# Altium PCB Pleiades_PP.PcbDoc (part 10 of 15) (continued)
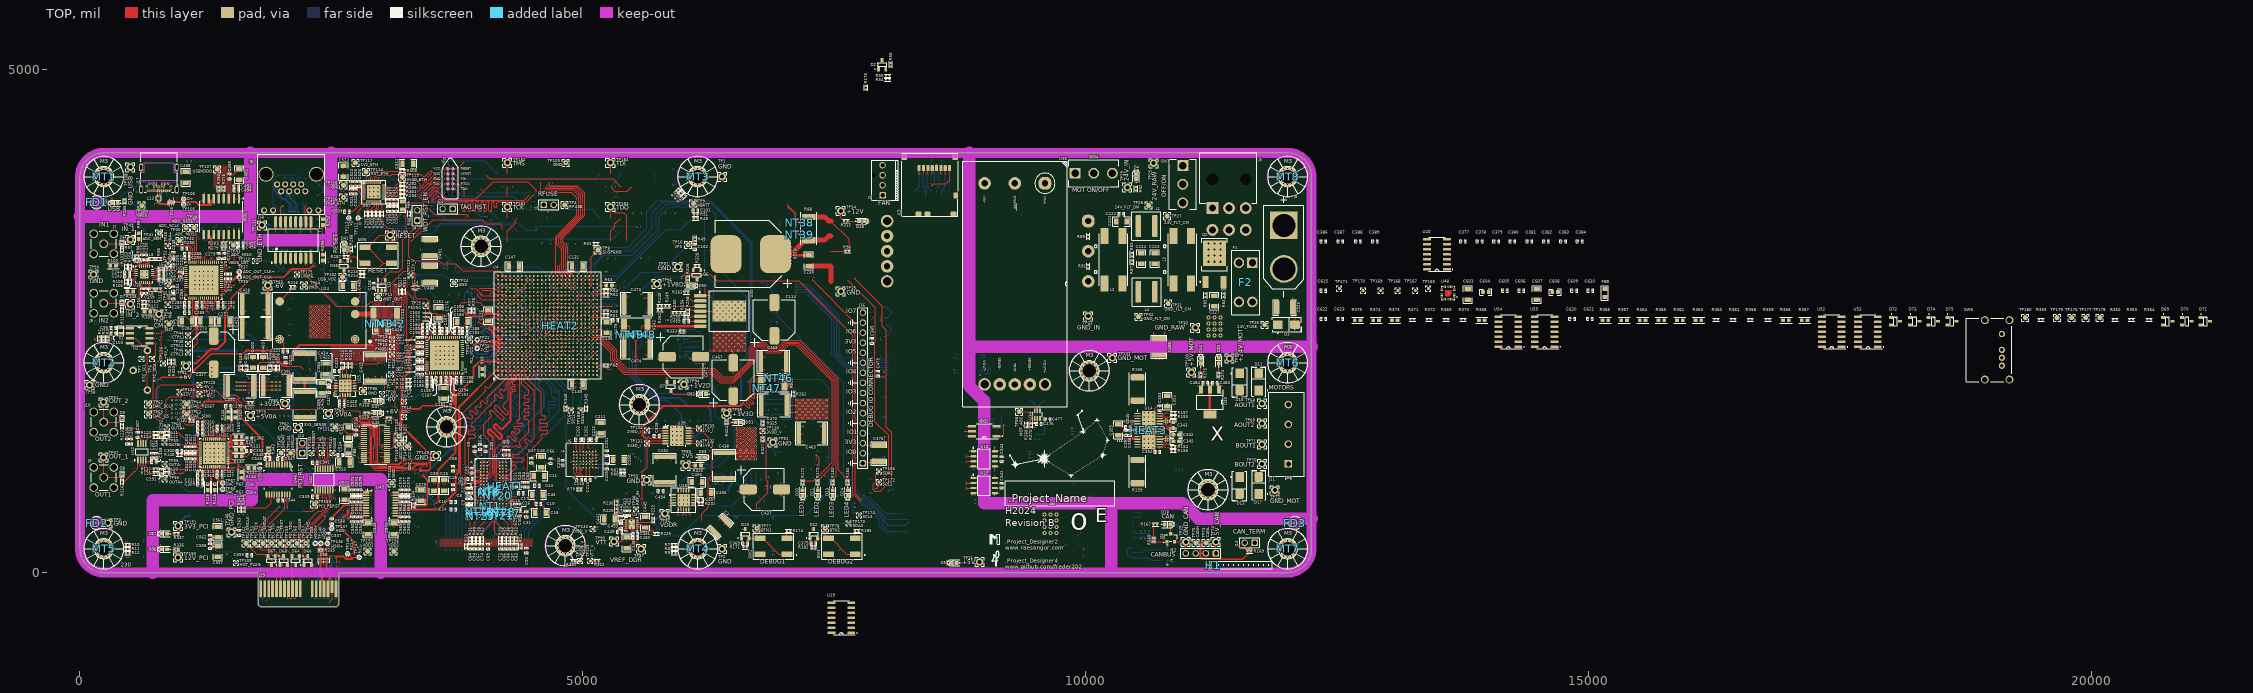
[diagram p0: TOP view]
## Nets (pads, with @x,y where several pads share a name; then routed paths per layer and width w, separated by ;. In a path a pad name is that pad's centre, name@x,y a point inside that pad or via, vN(x,y) a via of type N, cw(c..) or ccw(c..) an arc to the next point about the centre after c; other vN are vias at no path point) (continued)
  TOP w10: R1.2@194.88,2342.5 v1(194.88,2365) ; R2.2@235,2342.5 v1(235,2365) ; R3.2@274.88,2342.5 v1(274.88,2365) ; v1(292.5,2380) C103.2@315,2380 C99.2@315,2435 v1(292.5,2435) ; v1(300,3012.5) R100.1@300,3035 ; v1(397.5,2698.78) D7.2@420,2698.78 ; v1(397.5,3187.5) R101.2@420,3187.5 ; v1(397.5,3293.78) D6.2@420,3293.78 ; v1(420,2570) R110.2@420,2592.5 ; D8.2@425,995 v1(447.5,995) ; D9.2@425,1550 v1(447.5,1550) ; v1(430,2945) C243.2@452.5,2945 ; v1(430,2985) C244.2@452.5,2985 ; v1(445,2280) U2.4@500.69,2280 ; C306.2@470,1317.5 C306.2@470,1322.5 v1(470,1340) ; R12.2@492.5,195 v1(515,195) ; R11.2@492.5,235 v1(515,235) ; R10.2@492.5,275 v1(515,275) ; C305.2@510,1317.5 C305.2@510,1322.5 v1(510,1340) ; C307.2@575,1386.99 v1(575,1409.49) ; v1(620,2760) C260.2@620,2782.5 ; C251.2@620,3152.5 v1(620,3175) ; v1(660,2760) C259.2@660,2782.5 ; C250.2@660,3152.5 v1(660,3175) ; v1(697.5,1182.5) C337.2@720,1182.5 C336.2@760,1182.5 v1(782.5,1182.5) ; v1(700,2552.5) R109.1@700,2594 ; v1(752.5,1082.5) C338.2@752.5,1105 ; C266.2@827.5,2945 v1(850,2945) ; C267.2@827.5,2985 v1(850,2985) ; R323.2@890,2112.5 v1(890,2135) ; v1(950,1170) R145.2@972.5,1170 ; v1(950,1210) C300.2@972.5,1210 ; v1(977.5,2500) C283.2@1012,2500 ; C237.2@1000,2982.5 1008.6,2973.9 U9.21@1053.82,2973.9 1125.67,2973.9 v3(1143.39,2991.61) ; v1(1022.5,3202.5) C286.2@1022.5,3225 ; v1(1025,2585) C285.2@1047.5,2585 C287.2@1047.5,2640 ; v1(1025,2640) C287.2@1047.5,2640 ; v1(1025,2680) C289.2@1047.5,2680 ; v1(1025,2920) 1025.54,2920 1030.23,2915.31 1053.35,2915.31 U9.24@1053.82,2914.84 1133.54,2914.84 v3(1143.39,2905) ; v1(1025,3130) C290.2@1047.5,3130 ; v1(1025,3170) C288.2@1047.5,3170 ; v1(1030,2845) 1030.38,2844.62 1035.03,2844.62 1043.54,2836.1 U9.28@1053.82,2836.1 1125.67,2836.1 v3(1143.39,2818.39) ; v1@1033.14,2845.38 1043.54,2855.79 U9.27@1053.82,2855.79 1137.48,2855.79 v3(1143.39,2861.69) ; v1(1037.5,1172.5) C312.2@1060,1172.5 C316.2@1100,1172.5 C320.2@1140,1172.5 1152.03,1160.47 v1(1175.69,1160.47) U11.44@1198.19,1160.47 ; v1(1037.5,1212.5) C313.2@1060,1212.5 C317.2@1100,1212.5 C321.2@1140,1212.5 1164.31,1212.5 1170.95,1219.15 1175.31,1219.15 v1(1175.69,1219.53) U11.41@1198.19,1219.53 ; v1(1043.98,2714.19) 1043.98,2736.69 ; U9.31@1053.82,2777.05 1047.97,2777.05 1047.5,2776.57 C289.2@1047.5,2680 ; U9.39@1200.47,2728.82 v1(1200.47,2707.92) 1200.47,2687.03 C281.2@1207.5,2680 ; C311.2@1212.5,920 C311.2@1215,920 ; v1(1212.5,1352.5) C322.2@1212.5,1375 C318.2@1212.5,1415 C314.2@1212.5,1455 C310.2@1212.5,1495 v1(1235,1495) ; v1(1215,842.5) C311.2@1215,920 ; C319.2@1215,1000 C311.2@1215,920 ; v1(1230,2640) C277.2@1207.5,2640 C281.2@1207.5,2680 ; v1(1230,2680) C281.2@1207.5,2680 ; v1(1230,3300) ISO2.9@1230,3360 ; v1(1235,920) C311.2@1215,920 ; v1(1263.29,2077.5) C417.2@1285.79,2077.5 ; v1(1266.51,1968.32) C417.2@1289,1968.32 ; v1(1270,792.5) R129.2@1270,815 ; C273.2@1303,2500 1303,2496.96 1319.96,2480 v1(1345.5,2480) C272.2@1380,2480 ; C273.2@1305,2520 v1(1339.5,2520) 1365.04,2520 1382,2503.04 C272.2@1382,2500 ; v1(1305.47,1030.69) U11.5@1305.47,1053.19 ; v1(1340,792.5) R128.2@1340,815 ; R128.2@1340,821.46 1349.75,831.21 1378.71,831.21 v1(1379.09,831.59) ; C279.2@1380,3167.5 v1(1402.5,3167.5) C275.2@1440,3167.5 v1(1440,3190) ; U9.49@1406.18,2757.36 1409.15,2757.36 1409.62,2756.89 1409.62,2732.88 v1(1410,2732.5) 1417.5,2725 C280.2@1417.5,2680 ; U9.59@1406.18,2954.21 v1(1428.68,2954.21) ; C327.2@1407.5,960 1395.38,972.12 1395.38,979.62 v1(1395,980) 1395.38,980.38 1395.38,987.88 C332.2@1407.5,1000 ; C330.2@1407.5,1415 C325.2@1407.5,1455 v1(1407.5,1477.5) ; v1@1429.22,2954.21 1446.71,2954.21 C278.2@1455,2962.5 C274.2@1495,2962.5 v1(1517.5,2962.5) ; v1(1440,2640) C276.2@1417.5,2640 C280.2@1417.5,2680 ; v1(1440,2680) C280.2@1417.5,2680 ; C299.2@1457.5,1655 v1(1457.5,1677.5) ; ISO2.15@1530,3360 v1(1530,3419) ; v6(1555.63,1815.63) v6(1595,1815.63) v6(1634.37,1815.63) 1803.95,1815.63 C391.2@1821.59,1833.27 ; v6(1555.63,1855) v6(1595,1855) v6(1634.37,1855) C390.2@1722,1855 C391.2@1820.98,1855 ; v6(1555.63,1894.37) v6(1595,1894.37) v6(1634.37,1894.37) 1803.95,1894.37 C391.2@1820.98,1877.35 ; C496.2@1617.5,3235 C497.2@1617.5,3275 v1(1617.5,3305) ; C419.2@1624.44,2480 v1(1646.94,2480) ; C418.2@1624.44,2745 v1(1646.94,2745) ; C419.2@1624.5,2347.41 v1(1647,2347.41) ; C418.2@1624.5,2587.41 v1(1647,2587.41) ; C401.2@1650,2052.5 v1(1650,2075) ; v1(1655,1684.96) R207.2@1677.5,1684.96 ; C293.2@1697.5,1210 1720,1210 v1(1740,1230) ; C302.2@1702.5,1335 v1(1725,1335) ; v1(1720,2110) C400.2@1720,2132.5 ; C295.2@1790,1077.5 v1(1812.5,1077.5) ; v1(1820.98,2110) C403.2@1820.98,2132.5 ; v1(1825,1130) C546.2@1847.5,1130 1854.84,1122.66 U46.10@1854.84,1072.64 v1(1832.34,1072.64) ; v1(1857.5,1242.5) R343.2@1880,1242.5 ; C404.2@1890,2052.5 v1(1890,2075) ; U46.7@1931.61,1095 v1(1931.61,1117.5) ; v1(1956.59,1145.91) C547.2@1972.5,1130 1982.8,1119.7 U46.5@1982.8,1072.64 ; R208.2@1970,2052.5 v1(1970,2075) ; v6(1987.35,1816.86) v6(1947.98,1816.86) v6(1908.61,1816.86) 1838,1816.86 C391.2@1821.59,1833.27 ; v6(1987.35,1856.23) v6(1947.98,1856.23) v6(1908.61,1856.23) C391.2@1820.98,1856.23 ; v6(1987.35,1895.6) v6(1947.98,1895.6) v6(1908.61,1895.6) 1838,1895.6 1820.98,1878.58 C391.2@1820.98,1877.35 ; v1(2022.5,2097.5) C420.2@2045,2097.5 ; v1(2044.09,2215.91) C421.2@2060,2200 ; U46.1@2085.16,1096.82 v1(2085.16,1119.32) ; R216.2@2132.5,2840 v1(2155,2840) ; C395.2@2170,1560 v1(2170,1582.5) ; v1(2183.49,2137.5) C394.2@2183.49,2160 ; C395.2@2233.49,1560 v1(2233.49,1582.5) ; v1(2255,2137.5) C394.2@2255,2160 ; v1(2283.49,2007.41) 2283.49,2029.91 ; C395.2@2293.49,1560 v1(2293.49,1582.5) ; v1(2352.5,1117.5) C541.2@2352.5,1095 2357.5,1090 2357.5,1077 2362.5,1072 U42.15@2362.5,1048.96 ; C426.2@2405,1888 2420.12,1872.88 2452.12,1872.88 v1(2452.5,1872.5) C424.2@2475,1872.5 2490.08,1857.42 U25.18@2542.02,1857.42 ; R296.2@2425,3100 v1(2447.5,3100) ; C422.2@2443.49,2091.41 v1(2443.49,2113.91) ; v1(2452.5,1832.5) C427.2@2475,1832.5 2475.33,1832.17 2541.69,1832.17 U25.19@2542.02,1831.83 ; v1(2512.5,2112.5) 2512.88,2112.12 2512.88,2092.12 2517.5,2087.5 ; U42.9@2513.6,1032.4 v1(2536.1,1032.4) ; v1(2521.59,2020.91) C423.2@2537.5,2005 ; v1(2550,1170) C534.2@2572.5,1170 ; 2550,2082.41 v1(2550,2104.91) ; v1(2572.5,1047.5) C533.2@2572.5,1070 ; C533.2@2572.5,1120 v1(2572.5,1142.5) ; v7(2597.14,1857.42) U25.18@2542.02,1857.42 ; v7(2597.14,1896.79) 2583.37,1883.01 U25.17@2542.02,1883.01 U25.18@2542.02,1857.42 ; C413.2@2610,2077.5 v1(2610,2100) ; TP118.1@2620,3850 v1(2655,3850) ; v1(2620,4008) C523.2@2620,4043 ; C428.2@2622.5,1700 v1(2622.5,1722.5) 2610.92,1734.08 U25.2@2610.92,1762.93 2610.92,1804.27 v7(2597.14,1818.05) 2583.37,1831.83 U25.19@2542.02,1831.83 ; D41.2@2625,3263.54 v1(2625,3312.5) ; C509.2@2637.5,3590 v1(2637.5,3612.5) ; U25.4@2662.11,1762.93 U25.21@2662.11,1831.83 ; U25.12@2662.11,1951.91 2662.11,1910.57 v7(2675.89,1896.79) ; C535.2@2669.49,1445.09 2679.49,1445.09 2711.7,1412.88 2722.12,1412.88 v1(2722.5,1412.5) 2723.04,1412.5 2723.76,1411.78 v1(2775.28,1411.78) U40.3@2797.78,1411.78 ; D36.1@2672.5,3110 v1(2695,3110) ; v7(2675.89,1818.05) U25.21@2687.7,1806.24 ; v7(2675.89,1857.42) U25.8@2731,1857.42 ; v1(2677.5,3772.5) C521.2@2700,3772.5 ; U25.5@2687.7,1762.93 U25.21@2687.7,1806.24 ; U25.11@2687.7,1951.91 U25.21@2687.7,1908.6 ; R219.2@2690,2042.5 v1(2712.5,2042.5) ; R288.2@2695,3232.5 v1(2695,3255) ; v1(2700,3905) C524.2@2700,3882.5 C525.2@2740,3882.5 ; v1(2711,2801.67) C489.2@2711,2824.17 ; U25.7@2731,1831.83 U25.21@2662.11,1831.83 ; U25.9@2731,1883.01 U25.21@2662.11,1883.01 ; U25.10@2731,1908.6 U25.21@2687.7,1908.6 ; v1(2731,2801.67) C489.2@2731,2824.17 ; C522.2@2740,3772.5 2741.31,3771.19 2741.31,3755.52 2748.42,3748.41 v1(2759.09,3748.41) ; v1(2740,3905) C525.2@2740,3882.5 ; v1(2765,2990) R215.2@2787.5,2990 ; v1(2773.5,1096.82) U40.19@2796,1096.82 ; v1(2775.28,1352.72) U40.6@2797.78,1352.72 ; v1(2780,3905) C526.2@2780,3882.5 ; U40.10@2822.28,1273.98 2782.52,1273.98 v1(2773.5,1283) 2773.88,1283.38 2787.5,1283.38 2797.78,1293.67 U40.9@2822.28,1293.67 ; U37.1@2825,3853.74 2814.33,3853.74 2804.12,3863.95 2804.12,3864.62 v1(2803.74,3865) 2803.36,3865.38 2797.12,3865.38 C526.2@2780,3882.5 ; C415.2@2867.5,1924.91 v1(2867.5,1947.41) ; v1(2897,2420) C416.2@2930,2420 ; v1(2920,2815) C106.1@2920,2837.5 ; C415.2@2935,1929.91 v1(2935,1952.41) ; D49.2@2985.54,1585 v1(2985.54,1633.96) ; v1(2987.54,1656.04) D47.2@2987.54,1705 ; v1(3000,2772.5) U3.2@3000,2795 ; v1(3001.56,1096.82) U40.20@3024.06,1096.82 ; C415.2@3001.86,1924.91 v1(3001.86,1947.41) ; v1(3027.5,1802.52) 3027.82,1802.83 3027.82,1857.46 v1(3028.13,1857.77) 3027.75,1858.15 3027.75,1890.98 3010.72,1908 C415.2@2935,1908 2850,1908 2817.5,1875.5 TP86.1@2817.5,1806.24 U25.6@2731,1806.24 U25.21@2687.7,1806.24 ; v1(3040,3625) 3040.54,3625 3043.04,3627.5 3060,3627.5 C512.2@3065,3632.5 ; v1(3042.5,3672.5) C518.2@3065,3672.5 ; U40.30@3075,1295 v1(3097.5,1295) ; U40.35@3075,1390 v1(3097.5,1390) ; v1@3087.71,755.06 3101.37,768.73 3114.8,768.73 3115.64,769.57 U43.19@3137.64,769.57 3177.07,769.57 C576.2@3190,782.5 C578.2@3270,782.5 ; U43.11@3137.64,564.84 3157.66,564.84 3160.66,561.84 3160.66,541.84 C565.2@3190,512.5 ; U43.17@3137.64,718.39 3179.11,718.39 C564.2@3190,707.5 C566.2@3230,707.5 ; C570.2@3145,365 v1(3167.5,365) ; C570.2@3145,398.2 v1(3167.5,398.2) ; v1(3185,2752.5) R317.2@3185,2775 ; v1(3190,490) C565.2@3190,512.5 ; v1(3225,1875) R74.1@3247.5,1875 ; v1(3225,1915) R75.2@3247.5,1915 ; v1(3230,490) C567.2@3230,512.5 ; v1(3230,685) C566.2@3230,707.5 ; v1(3270,490) C569.2@3270,512.5 C567.2@3230,512.5 ; v1(3270,685) C568.2@3270,707.5 C566.2@3230,707.5 ; C511.2@3323.16,4060 v1(3345.66,4060) ; v1(3337.5,1977.5) C168.2@3360,1977.5 C174.2@3400,1977.5 3421.25,1956.25 3440.71,1956.25 3443.55,1953.41 v1(3444.09,1953.41) 3452.5,1945 3452.5,1940 C197.2@3457.5,1935 C192.2@3457.5,1895 C185.2@3457.5,1855 v1(3457.5,1832.5) ; v1(3337.5,2087.5) C164.2@3360,2087.5 C173.2@3400,2087.5 ; v1(3337.5,2162.5) C165.2@3360,2162.5 C172.2@3400,2162.5 ; v1(3337.5,2237.5) C166.2@3360,2237.5 C171.2@3400,2237.5 ; v1(3337.5,2332.5) C169.2@3360,2332.5 C175.2@3400,2332.5 ; C579.2@3368.99,727.79 v1(3368.99,750.29) ; v1(3394.3,3310) C491.2@3416.8,3310 ; v1(3397.19,2884) C488.2@3419.69,2884 ; C579.2@3408.33,727.79 v1(3408.33,750.29) ; C198.2@3412.5,2385 C189.2@3412.5,2425 C184.2@3412.5,2465 v1(3412.5,2487.5) ; v1(3504.1,764.1) 3504.1,800.88 C59.2@3506.58,803.36 ; v1(3510,2465) C163.2@3532.5,2465 C170.2@3532.5,2425 C177.2@3532.5,2385 ; v1(3532.79,780.86) C59.2@3532.79,803.36 ; U5.36@3536.42,1983.82 3536.42,1946.08 C195.2@3547.5,1935 C187.2@3547.5,1895 v1(3547.5,1872.5) ; C491.2@3547.24,3310 v1(3569.74,3310) ; v1(3569.3,1725.02) C182.2@3591.8,1725.02 ; C161.2@3595.47,2633.86 v1(3617.97,2633.86) ; C176.2@3607.5,2385 C167.2@3607.5,2425 v1(3607.5,2447.5) ; v1(3608.33,780.86) C25.2@3608.33,803.36 ; v1(3627.5,3915) J20.3@3650,3915 ; v1(3682.5,1068.02) 3682.88,1067.64 3694.86,1067.64 C58.2@3710,1052.5 3749.62,1012.88 3749.62,1010.38 v1(3750,1010) ; v1(3685,1685) R78.2@3685,1707.5 ; v1(3697.5,607.5) C24.2@3697.5,630 ; v1(3697.5,682.5) C10.2@3697.5,705 ; v1(3697.5,800.38) 3710,812.88 C26.2@3710,832.5 ; v1(3700,1805) 3700,1865 3687.5,1877.5 3687.5,1890 C191.2@3682.5,1895 C194.2@3682.5,1935 v1(3705,1935) ; C199.2@3765,2385 C190.2@3765,2425 3787.12,2447.12 3787.12,2449.62 v1(3787.5,2450) ; C186.2@3787.5,1895 C196.2@3787.5,1935 v1(3787.5,1957.5) ; v1(3822.5,2484.5) C183.2@3845,2484.5 ; v1(3822.5,2505) C183.2@3845,2505 ; v1(3827.5,617.5) C23.2@3850,617.5 C22.2@3890,617.5 v1(3890,595) ; v1(3827.5,797.5) C27.2@3850,797.5 C28.2@3890,797.5 ; v1(3831.73,701.11) 3832.27,701.11 3835.88,697.5 3845,697.5 C9.2@3850,692.5 C8.2@3890,692.5 v1(3912.5,692.5) ; v1(3840,220) R33.2@3840,242.5 ; v1(3845,2362.5) C193.2@3845,2385 C188.2@3845,2425 C183.2@3845,2484.5 ; C183.2@3855.5,2495 C183.2@3845,2484.5 ; C50.2@3860.52,931.05 v1(3860.52,953.55) ; R77.1@3875,2622.5 v1(3875,2645) ; v1(3880,220) C84.2@3880,242.5 ; C55.2@3895,997.5 v1(3917.5,997.5) ; v1(3920,220) C94.2@3920,242.5 ; v1(3924.2,1268.78) C5.2@3924.2,1246.28 3945.42,1267.5 C36.2@3980,1267.5 4015,1267.5 4030,1252.5 C39.2@4035,1247.5 ; v1(3960,220) C67.2@3960,242.5 ; v1(3995,2585) 4018,2608 C126.2@4039.28,2608 ; v1(4000,220) C74.2@4000,242.5 ; R69.2@4010.67,1966.46 v1(4033.17,1966.46) ; v1(4180,220) C72.2@4180,242.5 ; v1(4220,220) C86.2@4220,242.5 ; v1(4260,220) C88.2@4260,242.5 ; v1(4300,220) C97.2@4300,242.5 ; v1(4314.09,551.59) C29.2@4330,567.5 ; C15.2@4330,642.5 C16.2@4369.42,642.5 v1(4385.33,626.59) ; v1(4340,220) C83.2@4340,242.5 ; v1(4350.1,757.09) 4350.49,757.47 4350.49,772.99 C17.2@4367.5,790 ; v1(4353.11,878.5) 4352.72,878.88 4343.62,878.88 C21.2@4330,892.5 C20.2@4370,892.5 C64.2@4410,892.5 C65.2@4450,892.5 ; v1(4354.33,3000) C147.2@4354.33,3022.5 ; v1(4370.64,546.45) C30.2@4370.64,568.95 ; v1(4378.24,3000) C147.2@4378.24,3022.5 ; v1(4380,220) R14.2@4380,242.5 ; v1(4440,540) C31.2@4440,562.5 ; v1(4466.45,1102.22) 4466.83,1101.84 4485.66,1101.84 C47.2@4490,1097.5 ; U4.K2@4511.81,2003.94 4534.32,1981.43 4534.32,1940.68 4554.37,1920.63 4562.45,1920.63 v1(4582.88,1900.2) ; C44.2@4562.5,865 4578.8,848.7 4586.58,848.7 v1(4586.96,848.32) 4587.35,847.93 4587.35,790.65 C45.2@4603,775 ; C19.2@4577.5,685 v1(4600,685) ; v1(4587.5,962.5) C11.2@4610,962.5 ; v1(4605,1015) C46.2@4605,1038.85 ; C45.2@4618,772.96 v1(4640.5,772.96) ; C18.2@4649.02,617.5 v1(4664.93,633.41) ; v1(4654.81,1081.03) 4655.35,1081.03 4661.82,1087.5 4675,1087.5 C66.2@4680,1092.5 ; C204.2@4799.25,1109.74 v1(4799.25,1132.24) ; v1(4909.02,1021.23) 4909.02,992.84 4946.75,955.1 C214.2@4946.75,922.24 v1(4946.75,899.74) ; C203.2@4936.75,1322.24 v1(4936.75,1299.74) 4936.75,1227.56 4940.51,1223.8 v1(4940.51,1223.26) ; R79.2@4946.75,827.24 v1(4946.75,849.74) ; v1(4965.26,1847.89) C139.2@4987.76,1847.89 ; v1(4965.26,1883.18) C139.2@4987.76,1883.18 ; v1(4984.25,3000) C131.2@4984.25,3022.5 ; v1(5006.72,3000) C131.2@5006.72,3022.5 ; v1(5066.5,1021.23) 5066.5,1020.69 5067.5,1019.69 C213.2@5067.5,922.22 v1(5067.5,899.72) ; v1(5066.5,1223.26) 5066.5,1223.47 5051.75,1238.21 v1(5051.75,1299.74) C202.2@5051.75,1322.24 C212.2@5091.75,1322.24 v1(5091.75,1344.74) ; R52.1@5112.5,3270 v1(5112.5,3292.5) ; C211.2@5161.42,1507.2 v1(5161.42,1529.7) ; C211.2@5195,1507.2 v1(5195,1529.7) ; v1(5212.12,480.77) C441.2@5212.12,503.27 ; C441.2@5212.12,555.77 v1(5212.12,578.27) ; v1(5216.75,1039.74) C205.2@5239.25,1039.74 ; v1(5216.75,1204.74) C201.2@5239.25,1204.74 ; C135.2@5247.5,2500 v1(5247.5,2522.5) R61.2@5247.5,2555 ; R64.2@5247.5,2800 v1(5270,2800) ; C475.2@5307.5,2510 v1(5307.5,2532.5) ; R230.2@5335.12,708.27 v1(5335.12,730.77) ; v1(5347.62,383.27) C449.2@5347.62,405.77 5347.62,435.23 5357.62,445.23 v1(5357.62,445.77) C450.2@5380.12,445.77 5395.43,461.08 U27.4@5430,461.08 ; v1(5364.21,571.68) C442.2@5380.12,555.77 ; v1(5399,610) 5399.38,609.62 5418.77,609.62 C433.2@5420.12,608.27 C432.2@5460.12,608.27 v1(5482.62,608.27) ; R80.2@5411.75,977.24 v1(5434.25,977.24) ; R81.2@5411.75,1017.24 v1(5434.25,1017.24) ; C200.2@5420.12,1105 v1(5442.62,1105) ; C200.2@5420.12,1137.99 v1(5442.62,1137.99) ; C448.2@5435.12,242.77 5445.12,242.77 5507.62,305.27 C430.2@5507.62,345.77 ; C448.2@5460.12,242.77 v1(5482.62,242.77) ; v1(5491.71,329.86) C430.2@5507.62,345.77 ; v1(5491.71,401.68) C431.2@5507.62,385.77 ; 5494.96,426.39 5507.62,413.73 C431.2@5507.62,385.77 ; U27.8@5542.12,480.77 v1(5564.62,480.77) 5565,480.39 5577.5,480.39 5610.12,447.77 C445.2@5620.12,447.77 ; C445.2@5600,436.22 v1(5600,413.72) v1@5635,413.72 ; v1@5600,2732.28 C473.2@5650,2732.28 ; v1(5627.5,2167.5) C474.2@5650,2167.5 ; v1(5627.5,2287.5) C474.2@5650,2287.5 ; v1(5627.5,2587.5) C473.2@5650,2587.5 ; v1(5635,412.5) v1@5635,413.72 ; C445.2@5635,435 v1@5635,413.72 ; v1(5695,1360) C528.2@5717.5,1360 ; v1(5700.12,411.87) 5699.58,411.87 5697.72,413.72 v1(5661.77,413.72) v1@5635,413.72 ; v1(5737.95,1115) 5737.95,1135.12 5754.98,1152.14 C452.2@5815,1152.14 5873.67,1152.14 5890.69,1135.12 v1(5890.69,1115) ; v1(5747.5,2587.5) R262.2@5747.5,2610 ; v1(5757.5,787.64) C454.2@5757.5,810.14 ; Q7.2@5838,1915 v1(5838,1937.5) ; v1(5865,195) R9.2@5887.5,195 ; v1(5865,235) R8.2@5887.5,235 ; v1(5865,275) R7.2@5887.5,275 ; v1(5917.39,3771.04) R4.2@5933.3,3786.95 ; v1(5946.72,3741.72) R5.2@5962.63,3757.63 ; v6(5961.81,681.28) 5975.59,667.5 U28.7@5975.59,626.16 ; v1(5975,3713.43) R6.2@5990.91,3729.34 ; R333.2@6002.5,2400 v1(6025,2400) ; v1(6012.5,2477.5) C459.2@6012.5,2500 ; v1(6012.5,2762.5) R263.2@6012.5,2785 ; R258.2@6045,2612.5 v1(6067.5,2612.5) 6089.29,2612.5 6092.16,2609.62 6157.78,2609.62 U30.4@6167.4,2600 v2(6335,2600) ; U39.11@6049.17,1360 v1(6102.63,1360) ; v1(6066.22,2125) C472.2@6088.72,2125 ; U39.12@6077.31,1385.59 v1(6099.81,1385.59) ; Q6.2@6098,3006 6098,3012 6107,3021 6111.64,3021 6117.5,3026.86 R328.2@6117.5,3050 v1(6117.5,3072.5) ; v1(6115,3200) C102.2@6115,3222.5 ; R51.2@6138.96,3560 v1(6161.46,3560) ; C101.2@6138.96,3600 v1(6161.46,3600) ; v1(6149.5,892.5) C455.2@6172,892.5 ; C472.2@6170,2145 6207.4,2145 6272.4,2210 v2(6305,2210) ; C457.2@6187.5,725.14 v1(6210,725.14) ; C455.2@6206.16,895 v1(6228.66,895) ; D53.2@6213.54,1145 v1(6262.5,1145) ; v1(6260.65,3072.5) C228.2@6283.15,3072.5 ; v1(6260.65,3105) C228.2@6283.15,3105 ; v1(6260.65,3140) C228.2@6283.15,3140 ; v1(6260.65,3175) C228.2@6283.15,3175 ; v1(6260.65,3210) C228.2@6283.15,3210 ; v1(6260.65,3240) C228.2@6283.15,3240 ; C456.2@6292.42,790 v1(6314.92,790) ; C456.2@6292.42,810.14 v1(6314.92,810.14) ; v1(6354.92,522.36) C3.2@6370.83,538.27 ; v1(6379.09,499.86) C3.2@6395,515.77 ; v1(6406.37,474.09) C3.2@6422.28,490 ; v2(6485,2210) 6485,2207.29 6495,2197.29 C467.2@6495,2085 ; v1(6495,1982.5) C467.2@6495,2005 ; v1(6555.5,339) D19.1@6578,339 ; D51.2@6573.54,1495 v1(6622.5,1495) ; v1(6575,290) C369.2@6597.5,290 ; v1(6790,1285) R327.1@6790,1307.5 ; v1(6875,2590) C114.2@6875,2612.5 ; v1(6930,2590) C114.2@6930,2612.5 ; v1(6970,762.5) C437.2@6970,785 ; C437.2@6970,865 v1(6970,887.5) ; v1(6983.5,2014.09) C469.2@7006,2014.09 ; v1(6983.5,2145) C469.2@7006,2145 ; v1(7000.67,760) C437.2@7000.67,782.5 ; C437.2@7000.67,867.5 v1(7000.67,890) ; v1(7058.41,1625) 7044.02,1625 C470.2@7027,1642.02 ; R174.2@7062.5,415 v1(7062.5,437.5) ; R261.2@7095,1792.5 v1(7095,1815) ; v2(7125,1595) 7044.02,1595 7027,1612.02 C470.2@7027,1642.02 ; v2(7125,1655) 7122.29,1655 7112.29,1665 C470.2@7027,1665 C470.2@7027,1642.02 ; D20.2@7185,761.46 v1(7233.96,761.46) ; v1(7193,3045) C230.2@7215.5,3045 ; v1(7235.5,339) D22.1@7258,339 ; v1(7255,290) C375.2@7277.5,290 ; D21.2@7335,761.46 v1(7383.96,761.46) ; v1(7362.5,1300) C465.2@7385,1300 ; v1(7362.5,1375) C465.2@7385,1375 ; v1(7362.5,1455) C465.2@7385,1455 ; D23.2@7485,761.46 v1(7533.96,761.46) ; D24.2@7635,761.46 v1(7683.96,761.46) ; R185.2@7742.5,415 v1(7742.5,437.5) ; J16.1@7785,1085 7795.08,1095.08 7936.08,1095.08 C376.2@7945,1104 7902.27,1104 7871.77,1134.5 v1(7871.54,1134.5) ; D48.2@7803.54,3495 v1(7852.5,3495) ; v1(7858.98,2338.2) 7859.3,2338.2 C385.2@7875,2322.5 ; C479.2@7935,1997.5 v1(7957.5,1997.5) ; v1(8560.24,3963.48) J15.6@8560.24,4020.35 ; v1(8657.91,72.5) D5.2@8657.91,95 ; v1(8812.5,1455) ISO1.3@8835,1455 ; v1(8841.2,1055) U16.4@8883.7,1055 ; v1(8870,767.18) 8870,783.71 8876.29,790 U15.4@8883.7,790 ; C287.2@1047.5,2640 C289.2@1047.5,2680 ; C391.2@1820.98,1855 1822.21,1855 1822.21,1833.88 C391.2@1821.59,1833.27 ; C391.2@1820.98,1855 C391.2@1820.98,1856.23 ; C391.2@1820.98,1855 1820.98,1833.88 C391.2@1821.59,1833.27 ; C391.2@1820.98,1856.23 C391.2@1820.98,1877.35 ; U25.19@2542.02,1831.83 U25.18@2542.02,1857.42 ; U25.21@2662.11,1831.83 v7(2636.52,1857.42) U25.21@2662.11,1883.01 ; U25.21@2662.11,1883.01 v7(2675.89,1896.79) ; v7(2675.89,1896.79) U25.21@2687.7,1908.6 ; C525.2@2740,3882.5 C526.2@2780,3882.5 ; C512.2@3065,3632.5 v1(3065,3652.5) C518.2@3065,3672.5 ; C512.2@3065,3632.5 C513.2@3105,3632.5 ; C518.2@3065,3672.5 C517.2@3105,3672.5 ; C513.2@3105,3632.5 v1(3105,3652.5) C517.2@3105,3672.5 ; C513.2@3105,3632.5 C514.2@3145,3632.5 v1(3145,3652.5) C516.2@3145,3672.5 C517.2@3105,3672.5 ; C565.2@3190,512.5 C567.2@3230,512.5 ; C430.2@5507.62,345.77 C431.2@5507.62,385.77
  TOP w20: C438.2@6405,1192.81 6713,1192.81 v2(6715,1190.81)
  TOP w25: C419.2@1613,2425 C418.2@1613,2665
  TOP w50: C230.2@7245,3047 7246,3046 7464,3046 7465,3045 7465,2895
  BOT w5: 5466,2361.54 5466,1956.93 5710.93,1712 5771.81,1712 5831.69,1712 5976.12,1567.57 5976.12,1509.28 v1(6099.81,1385.59)
  BOT w5.95: v1(4886.74,1075) 4887.87,1076.12 4905.63,1076.12 C209.2@4906.75,1077.24 ; C217.2@4906.75,1037.24 4907.88,1036.11 4907.88,1022.36 v1(4909.02,1021.23) ; C208.2@4936.75,1202.24 4939.36,1204.85 4939.36,1222.1 v1(4940.51,1223.26) ; C207.2@5052.5,1210 5052.87,1210 5066.13,1223.26 v1(5066.5,1223.26) ; v1(5066.5,1021.23) 5067.53,1022.26 5067.53,1036.21 C216.2@5068.56,1037.24 ; C206.2@5066.75,1162.24 5081.55,1177.05 5081.55,1184.54 v1(5082.24,1185.24)
  BOT w6: R95.2@1000,3025 v1(1000,3047.5)
  BOT w8.89: C53.2@3830,1032.5 3865,997.5 C54.2@3895,997.5 v1(3917.5,997.5) 3918.09,996.91 3918.09,979.41 C56.2@3940,957.5 C51.2@3895,957.5 3865.31,957.5 3861.36,953.55 v1(3860.52,953.55) ; v1(4000,921.26) 4000.84,921.26 4009.58,930 4065,930 C34.2@4082.63,912.37 ; v1(4000,1015.75) v1(4000,984.25) v1(4031.5,984.25) ; C144.2@4072,1975 4107.68,1975 v1(4137.8,1944.88) ; C129.2@4195,2122.5 4214.54,2102.96 4215.94,2102.96 v1(4216.54,2102.36) 4217.13,2101.77 C149.2@4234.63,2101.77 ; v1(4216.54,2259.84) 4217.04,2259.84 C128.2@4237.2,2280 ; C149.2@4236.22,2100.18 C149.2@4234.63,2101.77 ; v1(4255.91,2102.36) 4255.31,2101.77 C149.2@4234.63,2101.77 ; v1(4280.76,937.01) 4281.36,937.6 4350.1,937.6 C12.2@4352.5,940 ; v1(4295.28,2496.06) 4295.87,2495.47 4313.37,2495.47 C127.2@4314.96,2493.88 4316.55,2495.47 4334.05,2495.47 v1(4334.65,2496.06) ; v1(4334.65,2811.02) 4335.24,2810.43 4352.74,2810.43 C119.2@4354.33,2808.84 4355.92,2810.43 4373.42,2810.43 v1(4374.02,2811.02) 4374.61,2810.43 4378.24,2810.43 4423.07,2765.6 C117.2@4433.07,2765.6 4438.14,2765.6 4455.62,2748.12 4455.62,2729.42 v1(4492.13,2692.91) ; v1(4374.02,2023.62) 4374.61,2023.03 4374.61,2005.53 C146.2@4376.2,2003.94 ; v1(4413.39,2377.95) 4413.98,2378.55 4431.48,2378.55 C124.2@4433.07,2380.14 4434.66,2378.55 4452.16,2378.55 v1(4452.76,2377.95) ; C145.2@4472.44,2218.29 4472.44,2240.16 v1(4492.13,2259.84) ; v1(4492.13,2535.43) 4492.72,2536.03 C113.2@4510.22,2536.03 ; v1(4492.13,2889.76) 4491.53,2890.36 4491.53,2907.86 C148.2@4489.94,2909.45 4491.53,2911.04 4491.53,2928.54 v1(4492.13,2929.13) ; C113.2@4511.81,2537.62 C113.2@4510.22,2536.03 ; v1(4531.5,2535.43) 4530.9,2536.03 C113.2@4510.22,2536.03 ; v1(4570.87,2456.69) C108.2@4623.87,2456.69 ; v1(4580,2340) 4607.98,2340 4609.39,2338.58 v1(4610.24,2338.58) 4626.08,2338.58 C109.2@4643.55,2356.06 ; C120.2@4588.37,2122.05 4607.46,2102.96 4609.64,2102.96 v1(4610.24,2102.36) ; C112.2@4592.5,2555.12 4592.5,2554.82 4609.64,2537.68 4609.64,2536.03 v1(4610.24,2535.43) ; v1(4610,2377.95) 4626.08,2377.95 4643.55,2360.48 C109.2@4643.55,2358.27 C109.2@4643.55,2356.06 ; v1(4610.24,2417.32) 4610.83,2417.92 4610.83,2443.66 C108.2@4623.87,2456.69 ; v1(4649.61,2496.06) 4649.01,2495.47 4649.01,2492.41 4623.87,2467.26 C108.2@4623.87,2456.69 ; v1(4688.98,1984.25) 4689.57,1984.85 C140.2@4689.57,2005.53 ; v1(4688.98,2023.62) 4689.57,2023.03 C140.2@4689.57,2005.53 ; v1(4688.98,2338.58) 4661.03,2338.58 C109.2@4643.55,2356.06 ; v1(4688.98,2535.43) 4689.57,2536.03 C111.2@4689.57,2556.71 ; v1(4688.98,2574.8) 4689.57,2574.21 C111.2@4689.57,2556.71 ; C140.2@4691.16,2003.94 C140.2@4689.57,2005.53 ; C111.2@4691.16,2555.12 C111.2@4689.57,2556.71 ; v1(4728.35,2456.69) 4727.75,2457.29 4727.75,2474.79 C110.2@4726.16,2476.38 4727.75,2477.97 4727.75,2495.47 v1(4728.35,2496.06) ; C132.2@4822.5,2910 4841.04,2928.54 4845.86,2928.54 v1(4846.46,2929.13) ; C122.2@4844.27,2476.38 4845.86,2477.97 4845.86,2495.47 v1(4846.46,2496.06) ; v1(4846.46,2023.62) v1(4885.83,2062.99) v1(4885.83,2102.36) ; v1(4885.83,2220.47) C118.2@4885.83,2187.16 4895.26,2187.16 4924.6,2216.5 4924.6,2219.88 v1(4925.2,2220.47) ; v1(4925.2,2811.02) 4924.6,2811.62 4924.6,2829.12 C133.2@4923.01,2830.71 4924.6,2832.3 4924.6,2849.8 v1(4925.2,2850.39) ; C121.2@4962.38,2515.75 4963.97,2517.34 4963.97,2534.84 v1(4964.57,2535.43) ; C123.2@4962.38,2712.6 4963.97,2711.01 4963.97,2693.51 v1(4964.57,2692.91) ; v1(5003.94,2377.95) C137.2@5025.81,2377.95 ; v1(5003.94,2929.13) C134.2@5025.81,2929.13 ; C141.2@5080.49,2122.05 5082.08,2123.64 5082.08,2141.14 v1(5082.68,2141.73) ; v1(5082.68,2456.69) 5082.08,2457.29 5079.9,2457.29 C136.2@5060.81,2476.38 5079.9,2495.47 5082.08,2495.47 v1(5082.68,2496.06)